# Altium PCB CL-HC-M-V2.1gerber.PcbDoc (part 18 of 18)
Units mil, origin at the board's own origin, x right, y up, seen from the top; angles counter-clockwise.
Board outline 27559.06 x 27559.06 mil, 2 copper layers (TopLayer, BottomLayer); 757 components, 558 nets, 2605 pads, 2186 vias.
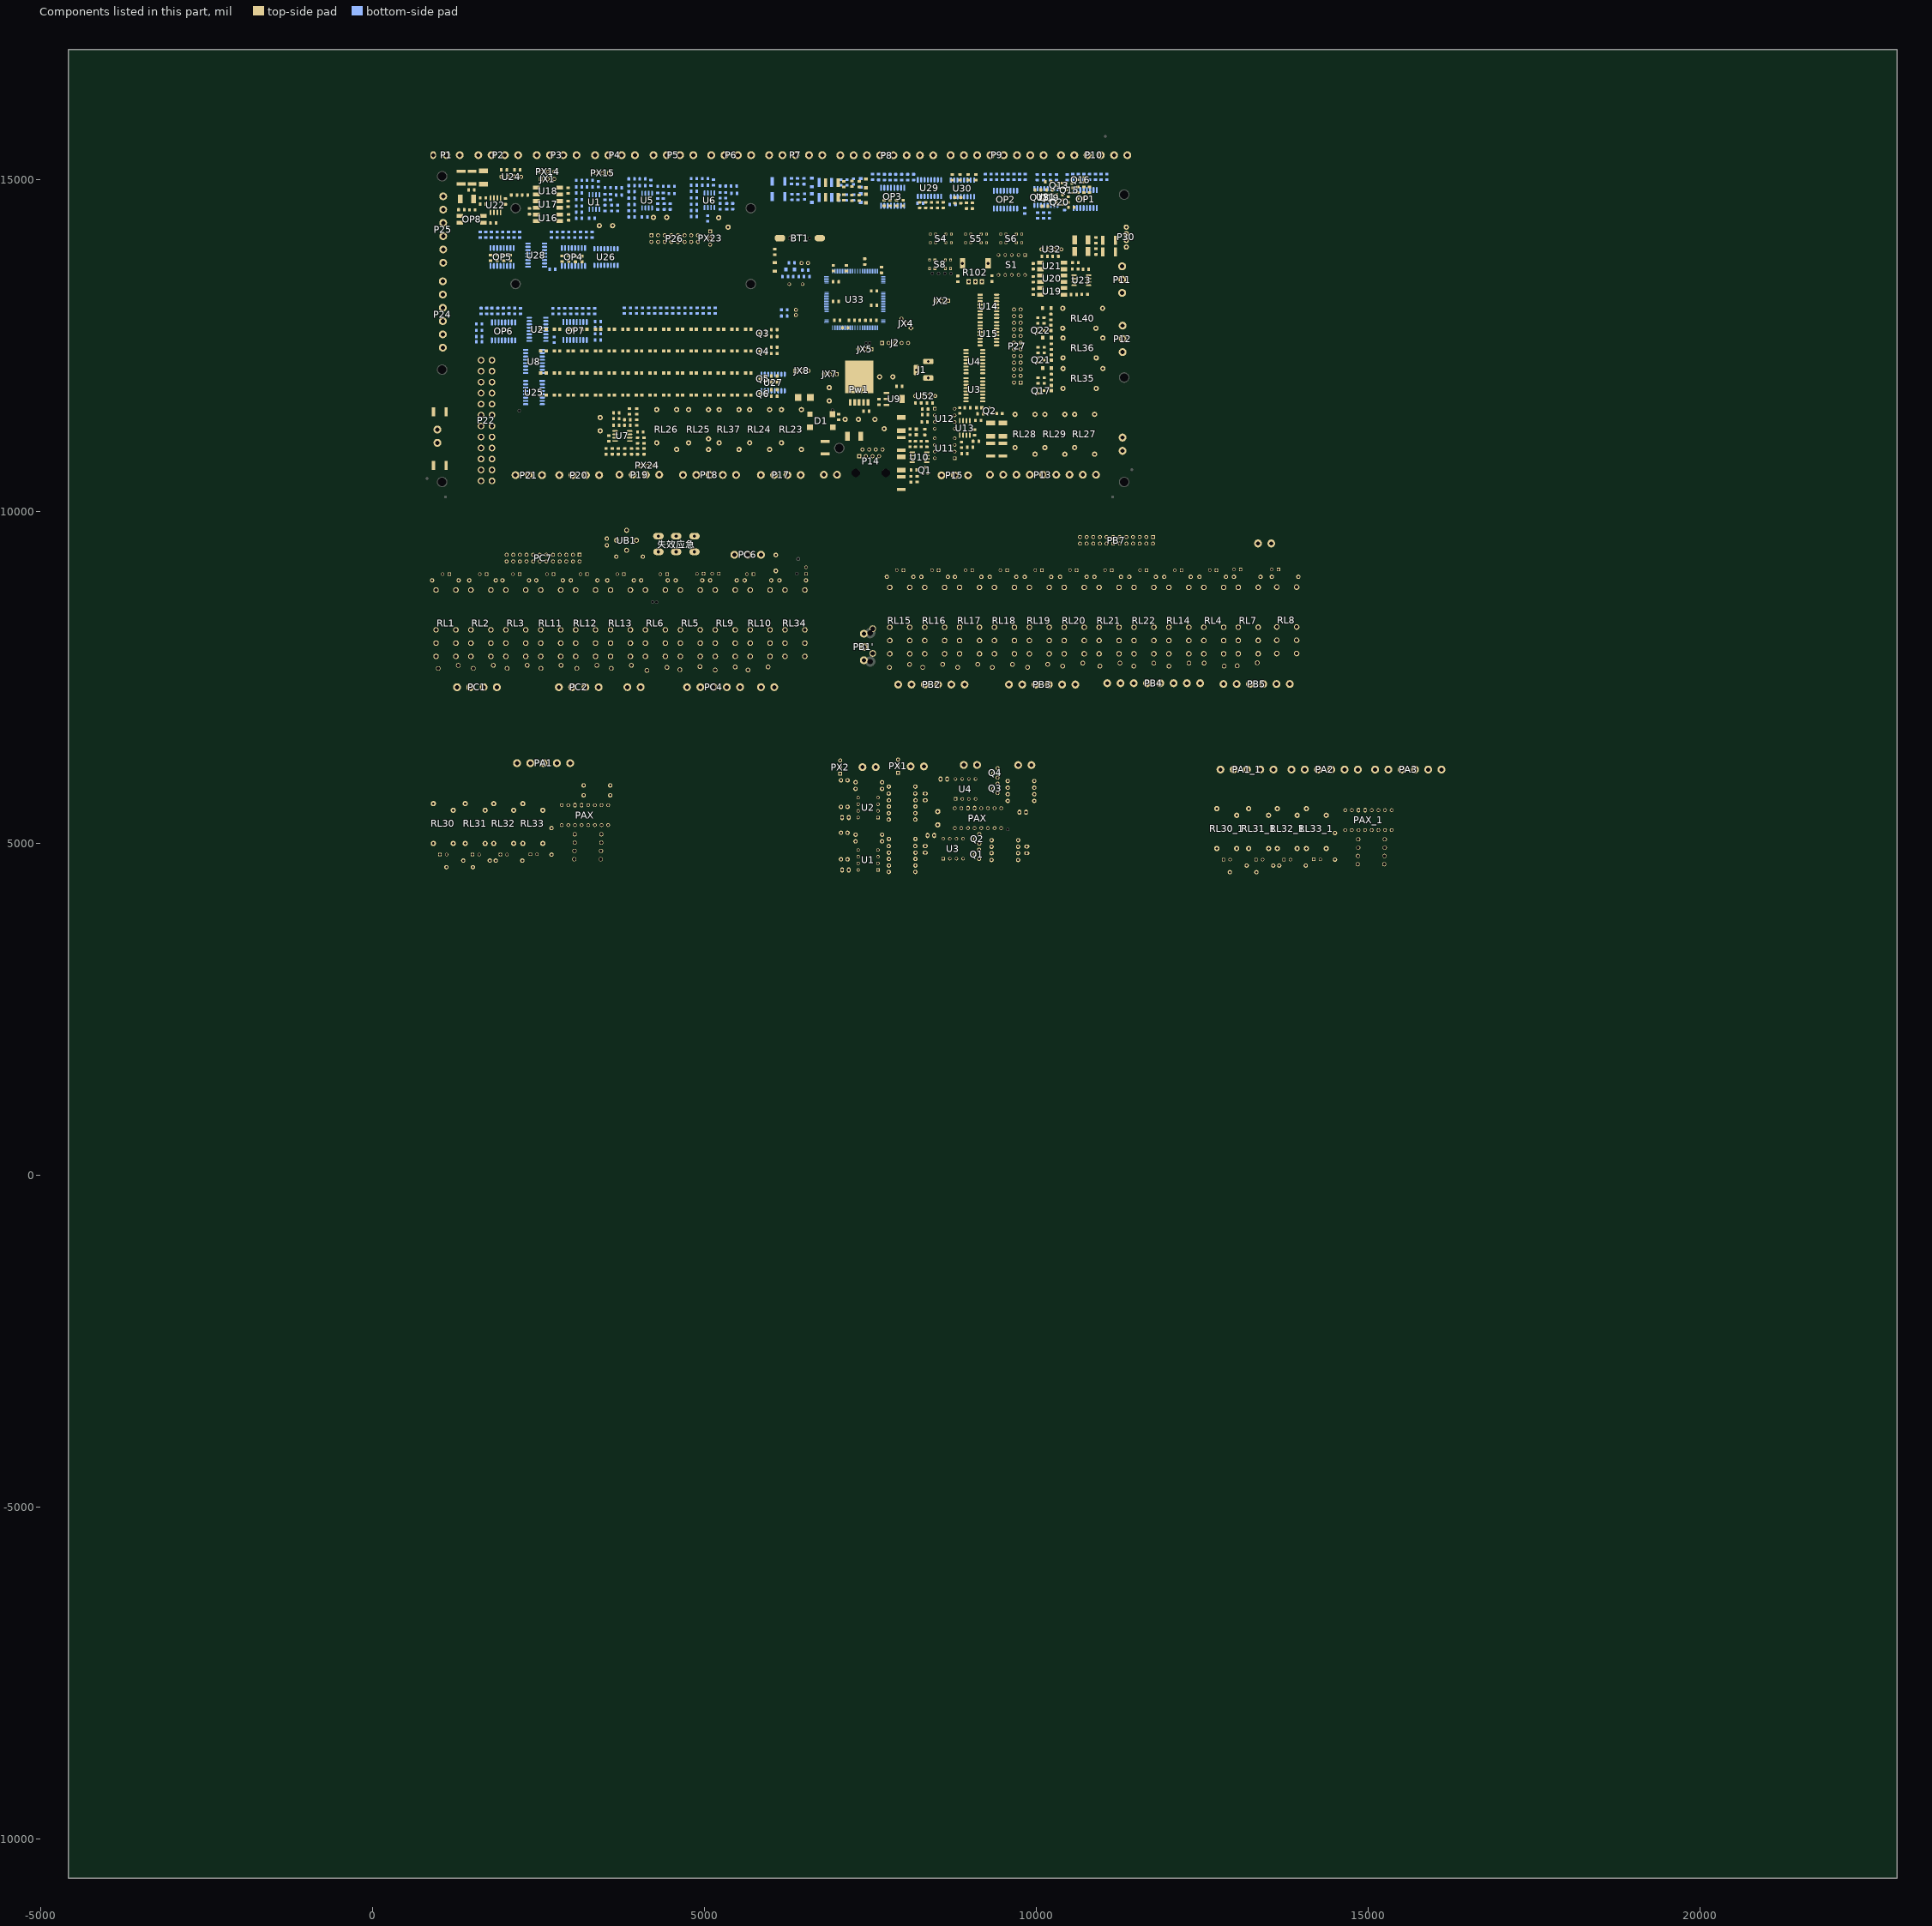
[diagram p18: the components of this part, seen from the top]

## Polygon pours and split planes (outlines as drawn) (continued)
485_GND_1 on TopLayer "BottomLayer-No Net" (solid, remove dead copper, pour order 13): 10250.6,13943.65 10250.6,14062.98 cw(c10350.6,14062.98) 10350.6,14162.98 10356.68,14162.98 11200.86,14162.98 cw(c11200.86,14128.36) 11235.48,14128.36 11235.48,13799.27 ccw(c11253.16,13799.27) 11253.16,13781.59 11373.9,13781.59 cw(c11373.9,13761.76) 11393.74,13761.76 11393.74,13231.77 cw(c11367.22,13231.77) 11367.22,13205.26 10298.41,13205.26 cw(c10298.41,13250.63) 10253.03,13250.63
485-GND1 on TopLayer "BottomLayer-No Net" (solid, remove dead copper, pour order 11): 8647.38,11334.07 8647.38,11533.36 cw(c8747.38,11533.36) 8747.38,11633.36 8772.38,11633.36 9467.59,11633.36 cw(c9467.59,11533.36) 9567.59,11533.36 9567.59,11509.14 9567.59,10753.15 cw(c9530.6,10753.15) 9530.6,10716.16 8684.57,10716.16 cw(c8684.57,10753.36) 8647.38,10753.36
485_GND_2 on TopLayer "BottomLayer-No Net" (solid, remove dead copper, pour order 9): 2483.37,14333.15 2485.54,14333.15 ccw(c2485.54,14397.37) 2549.76,14397.37 2549.76,14873.61 ccw(c2479.76,14873.61) 2479.76,14943.61 2109.59,14943.61 cw(c2109.59,14963.08) 2090.12,14963.08 2090.12,15165.12 ccw(c2044.66,15165.12) 2044.66,15210.58 1551.09,15210.58 cw(c1551.09,15276.96) 1484.72,15276.96 1484.72,15357.36 ccw(c1384.72,15357.36) 1384.72,15457.36 1109.51,15457.36 932,15457.36 ccw(c932,15390.96) 865.61,15390.96 865.61,15320.25 865.61,14945.05 ccw(c900.25,14945.05) 900.25,14910.41 1247.52,14910.41 cw(c1247.52,14901.06) 1256.88,14901.06 cw(c1256.88,14888.24) 1269.7,14888.24 1269.7,14621.78 ccw(c1281.24,14621.78) 1281.24,14610.24 1341.85,14610.24 1670.89,14610.24 cw(c1670.89,14548.18) 1732.94,14548.18 1732.94,14500.54 ccw(c1764.68,14500.54) 1764.68,14468.8 1937.88,14468.8 cw(c1937.88,14429.85) 1976.83,14429.85 1976.83,14398.08 ccw(c2041.76,14398.08) 2041.76,14333.15 2477.6,14333.15
GND on TopLayer "BottomLayer-No Net" (solid, remove dead copper, pour order 15): 902.31,14729.42 902.31,14800.91 cw(c950.6,14800.91) 950.6,14849.2 1200.34,14849.2 cw(c1200.34,14827.51) 1222.03,14827.51 1222.03,14610.06 ccw(c1242.68,14610.06) 1242.68,14589.42 1565.65,14589.42 cw(c1565.65,14565.18) 1589.88,14565.18 1589.88,14514.3 ccw(c1610.6,14514.3) 1610.6,14493.58 1689.85,14493.58 cw(c1689.85,14453.86) 1729.57,14453.86 ccw(c1814.01,14453.86) 1814.01,14369.42 1892.24,14369.42 2274.77,14369.42 2309.97,14369.42 cw(c2309.97,14349.2) 2330.19,14349.2 2330.19,14312.93 2330.19,14291.64 ccw(c2339,14291.64) 2339,14282.84 2534.83,14282.84 ccw(c2534.83,14308.37) 2560.36,14308.37 ccw(c2560.36,14364.99) 2616.98,14364.99 2616.98,14632.63 2616.98,14925.39 ccw(c2581.48,14925.39) 2581.48,14960.89 2222.85,14960.89 cw(c2222.85,15043.36) 2140.38,15043.36 2140.38,15247.93 ccw(c2110.6,15247.93) 2110.6,15277.7 1616.64,15277.7 cw(c1616.64,15377.7) 1516.64,15377.7 1516.64,15495.45 cw(c1610.6,15495.45) 1610.6,15589.42 11373.71,15589.42 cw(c11373.71,15489.42) 11473.71,15489.42 11473.71,15349.42 11473.71,15043.14 cw(c11429.08,15043.14) 11429.08,14998.51 11203.76,14998.51 ccw(c11203.76,14949.42) 11154.67,14949.42 11154.67,14633.53 ccw(c11191.22,14633.53) 11191.22,14596.98 11436.83,14596.98 cw(c11436.83,14564.72) 11469.08,14564.72 11469.08,14324.94 cw(c11410.6,14324.94) 11410.6,14266.45 10292.04,14266.45 ccw(c10292.04,14166.45) 10192.04,14166.45 10192.04,14149.42 10192.04,13187.36 ccw(c10222.34,13187.36) 10222.34,13157.06 10470.6,13157.06 cw(c10470.6,13057.06) 10570.6,13057.06 10570.6,13011.46 10570.6,11709.42 10570.6,11634.17 ccw(c10608.81,11634.17) 10608.81,11595.95 10798.29,11595.95 cw(c10798.29,11495.95) 10898.29,11495.95 10898.29,11489.74 10898.29,11371.68 cw(c10798.29,11371.68) 10798.29,11271.68 10302.22,11271.68 9699.29,11271.68 cw(c9699.29,11347.87) 9623.09,11347.87 9623.09,11589.76 ccw(c9563.44,11589.76) 9563.44,11649.42 8610.93,11649.42 ccw(c8610.93,11598.36) 8559.88,11598.36 8559.88,10269.42 cw(c8459.88,10269.42) 8459.88,10169.42 6790.6,10169.42 cw(c6790.6,10269.42) 6690.6,10269.42 6690.6,10289.42 6690.6,11198.14 ccw(c6590.6,11198.14) 6590.6,11298.14 6510.6,11298.14 4228.39,11298.14 ccw(c4228.39,11269.42) 4199.67,11269.42 4199.67,10862.61 ccw(c4238.92,10862.61) 4238.92,10823.36 4370.6,10823.36 cw(c4370.6,10803.36) 4390.6,10803.36 4390.6,10269.42 cw(c4290.6,10269.42) 4290.6,10169.42 3364.16,10169.42 1456.68,10169.42 cw(c1456.68,10269.42) 1356.68,10269.42 1356.68,10289.42 1356.68,10577.28 ccw(c1310.6,10577.28) 1310.6,10623.36 814.56,10623.36 cw(c814.56,10667.32) 770.6,10667.32 770.6,14698.75 cw(c790.6,14698.75) 790.6,14718.75 891.64,14718.75 ccw(c891.64,14729.42) 902.31,14729.42

## Keep-outs
KeepOutLayer:
  circle w3.94: c11324.89,14775.52 r137.8
  circle w3.94: c7033.56,10956.63 r137.8
  circle w3.94: c1049.3,10444.81 r137.8
  circle w3.94: c1049.3,12137.73 r137.8
  circle w3.94: c5698.74,13428.12 r137.8
  circle w3.94: c5698.74,14569.85 r137.8
  circle w3.94: c2155.43,13428.12 r137.8
  circle w3.94: c1049.3,15051.11 r137.8
  circle w3.94: c2155.43,14569.85 r137.8
  pour cut-out: 8761.58,5571.72 ccw(c8761.58,5528.54) 8718.4,5528.54 8718.4,5241.73 ccw(c8772.68,5241.73) 8772.68,5187.45 9472.68,5187.45 ccw(c9472.68,5230.32) 9515.55,5230.32 9515.55,5530.32 ccw(c9472.68,5530.32) 9472.68,5573.18 8772.68,5573.18

## Other copper
TopLayer:
  region net L: 12883.33,7985.08 12899.32,8001.06 12899.32,8166.21 12872.68,8192.85 7721.03,8192.85 7636.45,8277.42 7391.92,8277.42 7361.34,8246.85 7361.34,8130.34 7428.68,8062.99 7673.74,8062.99 7741,7995.73
BottomLayer:
  region net L: 12883.33,7985.08 12899.32,8001.06 12899.32,8166.21 12872.68,8192.85 7721.03,8192.85 7636.45,8277.42 7391.92,8277.42 7361.34,8246.85 7361.34,8130.34 7428.68,8062.99 7673.74,8062.99 7741,7995.73

## Silkscreen, mask and mechanical layers (free items; w line width, h text height)
TopOverlay:
  drawing of 12061 lines, arcs and shapes, not listed
  text "A+" at 889.29,15667.91 h118.11
  text "B-" at 1111.73,15667.91 h118.11
  text "PE" at 1287.92,15667.91 h118.11
  text "PE" at 2189.35,15667.91 h118.11
  text "PE" at 3080.1,15667.91 h118.11
  text "PE" at 3911.79,15667.91 h118.11
  text "PE" at 4777.94,15667.91 h118.11
  text "PE" at 5631.28,15667.91 h118.11
  text "PE" at 5878.33,15667.91 h118.11
  text "0V" at 1796.64,15666.93 h118.11
  text "~24V" at 1955.1,15666.93 h118.11
  text "0V" at 2675.57,15666.93 h118.11
  text "~24V" at 2819.27,15666.93 h118.11
  text "0V" at 3490.53,15666.93 h118.11
  text "~24V" at 3644.08,15666.93 h118.11
  text "0V" at 4363.57,15666.93 h118.11
  text "24V" at 4539.75,15666.93 h118.11
  text "0V" at 5232.66,15666.93 h118.11
  text "24V" at 5418.68,15666.93 h118.11
  text "0V" at 6500.38,15666.93 h118.11
  text "24V" at 6661.79,15666.93 h118.11
  text "回湿" at 6256.28,15662.99 h118.11
  text "回温" at 6047.62,15662.01 h118.11
  text "冷/热" at 3228.72,15661.02 h118.11
  text "预热" at 4132.27,15661.02 h118.11
  text "管温" at 7424.59,15661.02 h118.11
  text "热水阀" at 1490.53,15660.04 h118.11
  text "冷水阀" at 2373.41,15660.04 h118.11
  text "压差" at 4978.72,15660.04 h118.11
  text "防冻" at 7024.98,15660.04 h118.11
  text "预高温" at 7824.2,15660.04 h118.11
  text "电高温" at 8223.8,15660.04 h118.11
  text "高效" at 8674.59,15660.04 h118.11
  text "亚高效" at 9074.2,15660.04 h118.11
  text "中效" at 9524.98,15660.04 h118.11
  text "初效" at 9875.38,15660.04 h118.11
  text "消防" at 10723.8,15660.04 h118.11
  text "外急停" at 11125.38,15660.04 h118.11
  text "缺风" at 10354.42,15657.41 h118.11
  text "P4" at 3591.91,15569.49 h118.11
  text "P5" at 4447.23,15569.49 h118.11
  text "P7" at 6273.01,15569.49 h118.11
  text "P6" at 5288.76,15568.5 h118.11
  text "P8" at 7700.18,15568.5 h118.11
  text "P9" at 9410.81,15568.5 h118.11
  text "P1" at 854.71,15567.52 h118.11
  text "P10" at 10794.67,15567.52 h118.11
  text "情报面板485" at 976.75,15562.6 h118.11
  text "水阀" at 3241.52,15562.6 h118.11
  text "温感" at 4132.27,15562.6 h118.11
  text "P2" at 1878.04,15554.07 h118.11
  text "P3" at 2830.8,15551.11 h118.11
  text "6#" at 798.16,14719.49 h118.11 r270
  text "A+" at 11201.92,14538.64 h118.11 r90
  text "P30" at 11299.27,14481.11 h118.11 r90
  text "B-" at 11201.92,14466.64 h118.11 r90
  text "1,星形" at 9487.09,14428.99 h118.11
  text "2,自动" at 8441.26,14423.04 h118.11
  text "1,变频" at 8970.22,14416.29 h118.11
  text "系统控制方式选择区" at 6974.65,14384.99 h160
  text "5V" at 11206.92,14337.69 h118.11 r90
  text "1,夏季" at 8285.27,14334.21 h118.11
  text "3,冬季" at 8576.61,14331.26 h118.11
  text "3,三角形" at 9456.25,14331.96 h118.11
  text "3,定频" at 8976.55,14324.7 h118.11
  text "排风机自动门" at 1297.12,14301.91 h118.11 r270
  text "5#" at 801.82,14265.85 h118.11 r270
  text "S4" at 8265.24,14226.57 h118.11
  text "S5" at 8852.5,14215.73 h118.11
  text "S6" at 9382.5,14215.73 h118.11
  text "0V" at 11207.09,14212.84 h118.11 r90
  text "管温控制" at 7933.76,14131.56 h118.11
  text "P25" at 1404.38,14127.21 h118.11 r270
  text "1,手动" at 8263.83,13930.25 h118.11
  text "２3,自动" at 8547.65,13928.44 h118.11
  text "星三角" at 9302.1,13919.37 h118.11
  text "转换时间" at 9587.73,13914.85 h118.11
  text "4#" at 799.99,13901.84 h118.11 r270
  text "S8" at 8262.49,13819.21 h118.11
  text "变频器" at 7979.1,13783.33 h118.11
  text "频率控制" at 7930.12,13690.85 h118.11
  text "A+" at 11063.82,13647.79 h118.11 r90
  text "P24" at 1259.58,13534.19 h118.11 r270
  text "备1" at 8410.89,13489.33 h100
  text "备2" at 8616.68,13489.33 h100
  text "B-" at 11071.39,13480.46 h118.11 r90
  text "P11" at 10939.65,13463.05 h118.11 r90
  text "16" at 9380.07,13414.28 h118.11
  text "8" at 9526.87,13414.28 h118.11
  text "4" at 9618.93,13414.28 h118.11
  text "2" at 9725.98,13414.28 h118.11
  text "1" at 9844.28,13414.28 h118.11
  text "3#" at 808.56,13413.59 h118.11 r270
  text "CL-HC-M-V2.1" at 4108.1,13389.13 h200
  text "!调整时注意右下角的显示!" at 7707.06,13331.77 h118.11
  text "S1" at 9617.07,13326.1 h118.11
  text "手动频率调节" at 8846.89,13324.52 h118.11
  text "PE" at 11084.23,13239.08 h118.11 r90
  text "P27" at 9520.72,13231.09 h118.11
  text "排风机自动门" at 1268.01,13210.85 h118.11 r270
  text "Rx Tx G0" at 8437.91,13053.83 h80
  text "2#" at 808.56,13041.88 h118.11 r270
  text "com3" at 8453.49,12975.3 h120
  text "P12" at 11200.08,12959.22 h118.11
  text "常用数据输入点状态" at 3223.87,12927.46 h110
  text "门板控制按键输入" at 4995.3,12927.25 h110
  text "LD16~LD01" at 5889.69,12825.75 h100
  text "急停" at 2500.94,12819.59 h110
  text "消防" at 2706.84,12819.58 h110
  text "防冻" at 4580.27,12819.59 h110
  text "起停" at 4763.49,12819.49 h110
  text "值机" at 4969.28,12819.49 h110
  text "远起" at 5175.07,12819.49 h110
  text "远值" at 5380.86,12819.49 h110
  text "急停" at 5586.66,12819.49 h110
  text "缺风" at 2912,12818.04 h110
  text "初效" at 3118.21,12818.04 h110
  text "电高温" at 3900.13,12817.27 h110
  text "预高温" at 4153.44,12817.27 h110
  text "管温" at 4407.42,12817.9 h110
  text "中效" at 3306.9,12817 h110
  text "高效" at 3728.95,12815.74 h110
  text "亚高效" at 3473.32,12814.97 h110
  text "Rx Tx G0" at 7703.28,12752.9 h80
  text "com1" at 7718.87,12674.36 h120
  text "1#" at 810.97,12660.52 h118.11 r270
  text "下位机状态" at 2582.19,12600.4 h110
  text "季节工况选择" at 4106.44,12599.92 h110
  text "控制" at 5585.14,12598.41 h110
  text "启动方式" at 3553.74,12596.9 h110
  text "定频反馈" at 4786.62,12596.89 h110
  text "变频反馈" at 5198.2,12596.89 h110
  text "变频选择" at 3143.38,12595.38 h110
  text "13" at 2161.56,12576.28 h100
  text "超时" at 5588.88,12512.09 h110
  text "Rx Tx G0" at 6975.88,12499.78 h80
  text "门板接线区" at 1522.38,12498.37 h118.11
  text "运行" at 2500.68,12491.87 h110
  text "变频" at 3117.17,12491.87 h110
  text "定频" at 3322.96,12491.87 h110
  text "星形" at 3528.75,12491.87 h110
  text "三角" at 3734.54,12491.87 h110
  text "夏季" at 3940.33,12491.87 h110
  text "冬季" at 4146.12,12491.87 h110
  text "自动" at 4351.91,12491.87 h110
  text "手动" at 4557.7,12491.87 h110
  text "运行" at 4763.49,12491.87 h110
  text "故障" at 4969.28,12491.87 h110
  text "运行" at 5175.07,12491.87 h110
  text "故障" at 5380.86,12491.87 h110
  text "通信1" at 2674.79,12490.29 h110
  text "通信2" at 2887.79,12491.01 h110
  text "P22" at 1285.93,12488.37 h118.11
  text "3v r c d g" at 7661.88,12432.93 h120
  text "com5" at 6991.47,12421.25 h120
  text "24" at 2160.73,12396.24 h100
  text "AHU 状态与故障指示" at 3126.71,12272.84 h110
  text "变频器AO" at 5396.42,12265.27 h110
  text "LD32~LD17" at 5900.54,12255.53 h100
  text "中效报警" at 1996.63,12253.34 h100
  text "初效报警" at 1211.13,12245.98 h100
  text "电热" at 4133.26,12245.71 h110
  text "预热" at 4339.05,12245.71 h110
  text "防冻" at 4543.03,12245.4 h110
  text "防冻" at 4755.18,12245.4 h110
  text "外急停" at 4925.62,12245.16 h110
  text "消防" at 5186.98,12245.89 h110
  text "3v3" at 6385.51,12182.22 h120
  text "运行" at 2499.8,12158.78 h110
  text "值机" at 2705.59,12158.88 h110
  text "故障" at 2911.38,12158.88 h110
  text "缺风" at 3117.17,12158.88 h110
  text "初效" at 3322.96,12158.88 h110
  text "中效" at 3528.75,12158.88 h110
  text "亚高效" at 3694.7,12158.88 h110
  text "高效" at 3940.33,12158.88 h110
  text "报警" at 4133.26,12158.88 h110
  text "报警" at 4339.05,12158.88 h110
  text "停机" at 4755.18,12158.88 h110
  text "报警" at 4967.86,12158.88 h110
  text "报警" at 5186.88,12158.52 h110
  text "手动" at 5380.87,12158.88 h110
  text "自动" at 5586.66,12158.88 h110
  text "报警" at 4543.03,12151.31 h110
  text "LD48~LD33" at 5901.33,12145.36 h100
  text "GND" at 6817.31,12129.92 h80
  text "亚高效报警" at 1932.64,12087.66 h100
  text "缺风报警" at 1211.13,12085.98 h100
  text "交流24V" at 785.13,11995.27 h118.11 r270
  text "排风机 自动门 状态" at 3358.17,11935.44 h110
  text "主控模式" at 4476.35,11935.07 h110
  text "变频器控制" at 5172.14,11929.1 h110
  text "高效报警" at 1996.63,11922.63 h100
  text "加湿器状态" at 2582.05,11918.51 h110
  text "故障报警" at 1211.13,11915.98 h100
  text "#1" at 3151.58,11832.2 h110
  text "#2" at 3357.37,11832.2 h110
  text "#3" at 3563.16,11832.2 h110
  text "#4" at 3768.95,11832.2 h110
  text "#5" at 3974.74,11832.2 h110
  text "#6" at 4180.53,11832.2 h110
  text "A0" at 4379.53,11827.14 h110
  text "A1" at 4585.32,11827.14 h110
  text "A2" at 4791.11,11827.14 h110
  text "互锁" at 2501.7,11825.91 h110
  text "开关" at 2682.38,11825.91 h110
  text "电磁阀" at 2854.21,11825.28 h110
  text "开启" at 4969.83,11825.9 h110
  text "值机" at 5175.62,11825.9 h110
  text "全速" at 5381.41,11825.9 h110
  text "备用" at 5587.2,11825.9 h110
  text "电源灯" at 1996.63,11757.27 h100
  text "值机" at 1291.13,11755.98 h100
  text "预热锁定" at 11081.61,11700.84 h118.11
  text "输入" at 790.63,11636.68 h118.11 r270
  text "互锁" at 9742.38,11609.18 h118.11
  text "电磁阀" at 10602.38,11609.18 h118.11
  text "开关" at 10209.89,11604.45 h118.11
  text "预热高温" at 1996.63,11591.92 h100
  text "运行" at 1291.13,11585.98 h100
  text "加热锁定" at 11081.61,11583.72 h118.11
  text "系统控制方式指示区" at 2522.06,11543.6 h160
  text "风机锁定" at 11081.61,11476.44 h118.11
  text "LD64~LD49" at 2462.95,11432.59 h100
  text "防冻报警" at 1996.63,11426.56 h100
  text "电高温" at 1251.13,11425.98 h100
  text "火线" at 11217.32,11279.47 h118.11
  text "消防报警" at 1996.63,11261.21 h100
  text "本控开机" at 1211.13,11255.98 h100
  text "急停报警" at 1996.63,11095.85 h100
  text "本控值机" at 1211.13,11085.98 h100
  text "中央监控" at 7408.82,10993.64 h118.11
  text "P15" at 7197.28,10978.02 h118.11
  text "P32" at 11079.82,10953.67 h118.11 r90
  text "防冻报警" at 1996.63,10930.5 h100
  text "远控开机" at 1211.13,10925.98 h100
  text "P20" at 3005.82,10833.65 h118.11
  text "P21" at 2348.8,10822.1 h118.11
  text "P23" at 787.89,10773.86 h118.11 r270
  text "备用1" at 1996.63,10765.15 h100
  text "远控值机" at 1211.13,10755.98 h100
  text "P18" at 5030.35,10749.42 h118.11
  text "P17" at 6311.51,10745.32 h118.11
  text "变频反馈" at 2945.17,10742.68 h118.11
  text "工频反馈" at 2312.38,10740.6 h118.11
  text "P16" at 6718.91,10740.04 h118.11
  text "24V" at 1940.38,10688.36 h100 r270
  text "零线" at 11195.34,10661.2 h118.11
  text "急停按键" at 1182.38,10588.37 h100
  text "备用2" at 1949.37,10517.29 h100 r270
  text "01" at 1222.38,10461.29 h100
  text "24V" at 1372.38,10438.37 h100
  text "+" at 6762.38,10384.3 h200 r270
  text "POL" at 7435.26,10333.79 h118.11
  text "P19" at 3714.81,10298.36 h118.11
  text "变频控制" at 3972.18,10298.36 h118.11
  text "变频器控制" at 4858.23,10298.16 h118.11
  text "12" at 1221.56,10281.25 h100
  text "-" at 6975.92,10278.36 h300
  text "PE" at 8516.82,10277.9 h118.11
  text "B-" at 8740.73,10277.9 h118.11
  text "A+" at 8915.86,10277.9 h118.11
  text "故障" at 2266.32,10274.51 h118.11
  text "故障" at 3138.49,10275.01 h118.11
  text "运行" at 3338.49,10275.01 h118.11
  text "24V" at 2494.6,10273.89 h118.11
  text "(220V)" at 11085.37,10271.9 h118.11
  text "运行" at 2051.17,10268.98 h118.11
  text "0V" at 2764.85,10267.88 h118.11
  text "24V" at 2944.67,10266.67 h118.11
  text "24V输入端" at 6690.27,10205.81 h118.11
  text "3-A+" at 7227.36,10203.4 h118.11
  text "6-B-" at 7621.59,10201 h118.11
  text "公共" at 4543.69,10198.36 h118.11
  text "开启" at 4762.38,10198.36 h118.11
  text "值机" at 4982.38,10198.36 h118.11
  text "全速" at 5182.38,10198.36 h118.11
  text "备用" at 5382.38,10198.36 h118.11
  text "控制" at 9600.77,10196.14 h118.11
  text "互锁" at 9922.62,10196.14 h118.11
  text "开关" at 10301.56,10196.14 h118.11
  text "电磁阀" at 10541.71,10196.14 h118.11
  text "零线" at 10832.07,10196.14 h118.11
  text "PE" at 9250.38,10193.19 h118.11
  text "0V" at 9424.59,10193.19 h118.11
  text "PE" at 3621.08,10192.47 h118.11
  text "0V" at 3865.95,10192.47 h118.11
  text "选择" at 4041.6,10192.47 h118.11
  text "高温连锁" at 5771.18,10192.89 h118.11
  text "故障连锁" at 6170.19,10192.89 h118.11
  text "P13" at 10139.77,10183.18 h118.11
  text "P14" at 8705.57,10182.57 h118.11
  text "应急" at 5323.69,9770.21 h118.11 r270
  text "正常" at 5615.03,9752.5 h118.11 r270
  text "AC1" at 13258.7,9701.82 h118.11
  text "AC2" at 13458.5,9699.85 h118.11
  text "预热锁定" at 5973.26,9685.66 h118.11
  text "AC24V" at 12851.71,9610.37 h118.11
  text "加热锁定" at 5973.26,9596.57 h118.11
  text "PB7" at 12029.64,9596.19 h118.11
  text "PC6" at 5795.55,9527.68 h118.11
  text "交流" at 12906.8,9520.07 h118.11
  text "风机锁定" at 5971.43,9503.83 h118.11
  text "PB6" at 12919.64,9406.19 h118.11
  text "应急指示灯" at 3312.35,9364.75 h100
  text "CL-HC-V1.5-B" at 8507.77,9222.28 h200
  text "SW1" at 5046.55,9166.68 h118.11
  text "应急" at 4414.55,9157.68 h118.11
  text "开关" at 4598.55,9156.68 h118.11
  text "CL-HC-C-V2.0" at 829.02,9144.03 h200
  text "PC7" at 3367.99,9127.79 h118.11
  text "(220V)" at 7378.68,8616.86 h118.11
  text "火线" at 7320.04,8519.14 h118.11
  text "PB5" at 13432.16,7589.92 h118.11
  text "零线" at 7360.04,7519.14 h118.11
  text "PC2" at 2496.82,7463.72 h118.11
  text "PC1" at 2051.01,7436.36 h118.11
  text "PC4" at 4418.79,7428.36 h118.11
  text "PB1" at 7367.19,7401.66 h118.11
  text "PB4" at 10947.29,7328.66 h118.11 r90
  text "PB3" at 9461.71,7319.04 h118.11 r90
  text "PB2" at 7793.44,7316.64 h118.11 r90
  text "(220V)" at 4351.1,7187.49 h118.11
  text "星接法" at 5108.04,7167.79 h118.11 r270
  text "(220V)" at 2280.76,7162.88 h118.11
  text "散热扇" at 5523.04,7162.79 h118.11 r270
  text "零线" at 1253.04,7147.79 h118.11 r270
  text "(220V)" at 6202.64,7143.73 h118.11
  text "零线" at 2788.04,7142.79 h118.11 r270
  text "变频" at 4698.04,7122.79 h118.11 r270
  text "定频" at 4903.04,7122.79 h118.11 r270
  text "电预热" at 2004.72,7119.89 h118.11 r270
  text "电加热" at 2630.71,7117.92 h118.11 r270
  text "三角" at 5318.04,7117.79 h118.11 r270
  text "2#" at 1653.04,7112.79 h118.11 r270
  text "3#" at 1853.04,7112.79 h118.11 r270
  text "1#" at 1453.04,7107.79 h118.11 r270
  text "2#" at 3188.04,7107.79 h118.11 r270
  text "3#" at 3388.04,7107.79 h118.11 r270
  text "1#" at 2988.04,7102.79 h118.11 r270
  text "PC5" at 5640.62,7082.2 h118.11
  text "(220V)" at 825.77,7075.36 h118.11
  text "PC3" at 3585.32,7053.48 h118.11
  text "1#" at 7970.98,7011.65 h118.11 r90
  text "5#" at 10040.98,7011.59 h118.11 r90
  text "2#" at 8370.98,7010.84 h118.11 r90
  text "3#" at 8770.98,7010.84 h118.11 r90
  text "6#" at 10440.98,7010.33 h118.11 r90
  text "4#" at 9640.98,7008.13 h118.11 r90
  text "零线" at 13303.16,6988.78 h118.11 r90
  text "负压" at 11920.98,6973.66 h118.11 r90
  text "零线" at 8170.98,6972.74 h118.11 r90
  text "零线" at 8570.98,6972.74 h118.11 r90
  text "零线" at 8970.98,6972.74 h118.11 r90
  text "零线" at 9840.98,6972.74 h118.11 r90
  text "零线" at 10240.98,6972.74 h118.11 r90
  text "零线" at 10640.98,6972.74 h118.11 r90
  text "停保" at 11120.98,6972.91 h118.11 r90
  text "零线" at 11320.98,6972.74 h118.11 r90
  text "零线" at 11720.98,6972.74 h118.11 r90
  text "零线" at 12120.98,6972.74 h118.11 r90
  text "零线" at 12520.98,6972.74 h118.11 r90
  text "定量关" at 13651.61,6949.14 h118.11 r90
  text "密闭关" at 12903.16,6944.62 h118.11 r90
  text "密闭开" at 13103.16,6944.68 h118.11 r90
  text "定量开" at 13523.94,6944.14 h118.11 r90
  text "电柜扇" at 12320.98,6931.46 h118.11 r90
  text "杀菌灯" at 11520.98,6929.85 h118.11 r90
  text "AC24V" at 13776.61,6929.14 h118.11 r90
  text "零线" at 3887.68,6916.68 h118.11 r90
  text "零线" at 4082.21,6906.83 h118.11 r90
  text "零线" at 5894.42,6906.83 h118.11 r90
  text "零线" at 6094.42,6906.83 h118.11 r90
  text "排风机" at 8335.08,6851.11 h118.11
  text "排风机" at 10046.99,6819.28 h118.11
  text "AC24V" at 13475.08,6781.11 h118.11
  text "(220V)" at 9545.56,6775.6 h118.11
  text "(220V)" at 11032.21,6775.6 h118.11
  text "(220V)" at 12698.66,6771.11 h118.11
  text "(220V)" at 7850.98,6755.6 h118.11
  text "浮点阀硬接线扩展板" at 1040.92,6248.41 h118.11
  text "CL-FG-V1.0" at 1020.92,6058.41 h200
  text "PF1" at 3160.92,6048.41 h118.11
  text "公共" at 2146.51,6023.26 h118.11 r270
  text "F1" at 2336.77,6023.26 h118.11 r270
  text "R1" at 2538.83,6023.26 h118.11 r270
  text "F2" at 2740.9,6023.26 h118.11 r270
  text "R2" at 2942.97,6023.26 h118.11 r270
  text "回温" at 14007.66,5918.45 h118.11 r270
  text "回湿" at 14207.66,5918.45 h118.11 r270
  text "设温" at 14427.66,5918.45 h118.11 r270
  text "设湿" at 14617.66,5918.45 h118.11 r270
  text "运行" at 12765.59,5907.93 h118.11 r270
  text "值机" at 12915.59,5907.93 h118.11 r270
  text "滤网" at 13095.59,5907.93 h118.11 r270
  text "故障" at 13295.59,5907.93 h118.11 r270
  text "公共" at 13505.59,5907.93 h118.11 r270
  text "0V" at 14797.66,5888.45 h118.11 r270
  text "PE" at 13807.66,5878.45 h118.11 r270
  text "负压" at 15075.8,5780.54 h118.11
  text "远启" at 15886.85,5780.32 h118.11
  text "远值" at 15486.85,5779.53 h118.11
  text "PD1~PD4 4~20mA输出" at 6918.14,5764.13 h120 r270
  text "PA1" at 15496.5,5683.25 h118.11
  text "!!!请注意正负极性!!!" at 6828.14,5669.36 h120 r270
  text "PA2" at 14271.21,5656.95 h118.11
  text "PA3" at 13056.45,5654.33 h118.11
  text "情报面板硬接线扩展板" at 14515.75,5580.71 h118.11
  text "滤网" at 13892.59,4732.74 h118.11
  text "值机" at 13465.32,4731.43 h118.11
  text "运行" at 12984.15,4728.8 h118.11
  text "故障" at 14159.47,4632.83 h118.11
  text "CL-HC-A-V2.0" at 15637.18,4572.47 h200 r90
  text "CL-AO-VI-V1.0" at 10088.14,4557.43 h200 r90
BottomOverlay:
  region: 11299.89,13147.43 11448.97,12967.43 11314.46,12967.43 11419.89,12807.43 11214.46,13007.43 11348.97,13007.43
  region: 10466.46,10943.04 10615.54,10763.04 10481.03,10763.04 10586.46,10603.04 10381.03,10803.04 10515.54,10803.04
  lines w8: 3216.08,14751.81 3216.08,14848.81 ; 3470.76,14808.16 3455.38,14823.54 3455.38,14976.47 3481.75,15002.84 3516.85,15002.84 ; 3599.55,14440.05 3599.55,14494.93 ; 3625.17,14673.51 3723.95,14673.51 3739.34,14658.12 3739.34,14394.68 ; 3773.73,14661.07 3841.79,14661.07 ; 3798.61,14480.31 3822.03,14503.73 ; 3800.81,14946.48 3800.81,14994.78 ; 3974.25,14688.88 4008.65,14654.48 4008.65,14643.5 ; 3976.45,14852.81 4002.79,14852.81 4007.18,14848.41 4007.18,14825.73 ; 3998.04,15130.9 3998.04,15062.86 3986.69,15051.51 3986.69,14965.12 4000.22,14951.59 ; 4261.13,14830.85 4249.41,14842.57 4249.41,14973.55 4249.41,14992.57 4310.17,15053.33 4315.45,15053.33 ; 4377.65,14386.8 4377.65,14520.07 ; 4417.72,14689.61 4548,14689.61 4565.55,14672.06 4565.55,14642.03
  lines w10: 5204.81,14836.34 5188.71,14852.44 5188.71,14999.54 5225.67,15036.49
  lines w15: 9975.97,10312.18 9975.97,11263.15 10609.14,11263.15 10609.14,13145.41 11473.89,13145.41 11473.89,10312.18 9975.97,10312.18
  text "管温" at 7641.08,15531.15 h118.11
  text "缺风" at 10526.9,15531.15 h118.11
  text "防冻" at 7228.82,15530.81 h118.11
  text "预高温" at 8053.22,15530.23 h118.11
  text "电高温" at 8465.6,15530.23 h118.11
  text "高效" at 8877.86,15530.23 h118.11
  text "亚高效" at 9290,15530.23 h118.11
  text "中效" at 9702.26,15530.92 h118.11
  text "初效" at 10114.52,15530.92 h118.11
  text "消防" at 10939.04,15530.81 h118.11
  text "急停" at 11351.41,15530.57 h118.11
  text "Tx Rx G0" at 2767.72,14881.95 h80
  text "com2" at 2752.14,14803.42 h120
  text "!!!Warning High Voltage!!!" at 10793.92,13078.89 h250 r90
  text "(220V)" at 11301.42,13041.92 h118.11
  text "排风机#1" at 9562.91,13021.25 h118.11
  text "排风机#3" at 10201.68,13021.25 h118.11
  text "!!区域内高压 切勿触碰!!!" at 11222.59,12968.02 h300 r90
  text "排风机#5" at 9562.91,12921.25 h118.11
  text "排风机#2" at 10202.35,12921.25 h118.11
  text "排风机#6" at 9562.91,12821.25 h118.11
  text "电加热#2" at 10197.85,12821.25 h118.11
  text "保温" at 9562.91,12721.25 h118.11
  text "GND" at 10030.49,12721.25 h118.11
  text "杀菌灯" at 9562.91,12621.25 h118.11
  text "24V" at 9991.82,12621.25 h118.11
  text "负压" at 9562.91,12521.25 h118.11
  text "排风机#1" at 10202.91,12521.25 h118.11
  text "电柜扇" at 9562.91,12421.25 h118.11
  text "散热扇" at 10091.52,12421.25 h118.11
  text "预热#1" at 9562.91,12321.25 h118.11
  text "星三角" at 10089.61,12321.25 h118.11
  text "预热#2" at 9562.91,12221.25 h118.11
  text "定频" at 10009.13,12221.25 h118.11
  text "预热#3" at 9562.91,12121.25 h118.11
  text "变频" at 10008.8,12121.25 h118.11
  text "电加热#1" at 9562.91,12021.25 h118.11
  text "定量阀" at 10093.43,12021.25 h118.11
  text "密闭阀" at 9562.91,11921.25 h118.11
  text "电加热#3" at 10197.18,11921.25 h118.11
  text "(220V)" at 10394.8,10706.37 h118.11
BottomSolder:
  drawing of 158 lines, arcs and shapes, not listed
Mechanical1:
  circle w10: c12609.32,5807.13 r66.93
  circle w10: c16152.63,5807.13 r66.93
  circle w10: c12609.32,4665.4 r66.93
  circle w10: c16152.63,4665.4 r66.93
  circle w10: c16152.63,2775.64 r66.93
  circle w10: c12609.32,2775.64 r66.93
  circle w10: c16152.63,3917.37 r66.93
  circle w10: c12609.32,3917.37 r66.93
  circle w10: c6726.25,3947.31 r66.93
  circle w10: c10269.56,3947.31 r66.93
  circle w10: c6726.25,2805.58 r66.93
  circle w10: c10269.56,2805.58 r66.93
  circle w10: c10269.56,4695.34 r66.93
  circle w10: c6726.25,4695.34 r66.93
  circle w10: c10269.56,5837.07 r66.93
  circle w10: c6726.25,5837.07 r66.93
  circle w10: c804.08,3992.7 r66.93
  circle w10: c4347.39,3992.7 r66.93
  circle w10: c804.08,2850.97 r66.93
  circle w10: c4347.39,2850.97 r66.93
  circle w10: c4347.39,4740.73 r66.93
  circle w10: c804.08,4740.73 r66.93
  circle w10: c4347.39,5882.46 r66.93
  circle w10: c804.08,5882.46 r66.93
  circle w10: c7438.46,9563.79 r66.93
  circle w10: c7438.46,6886.62 r66.93
  circle w10: c9256.4,7411.66 r66.93
  circle w10: c13934.53,6886.62 r66.93
  circle w10: c13934.53,9563.79 r66.93
  circle w10: c6385.63,6888.59 r66.93
  circle w10: c6464.37,9565.76 r66.93
  circle w10: c1031.3,9565.76 r66.93
  circle w10: c1031.3,6888.59 r66.93
  lines w5: 750.6,10287.21 ccw(c888.4,10287.21) 888.4,10149.42 ; 750.6,15602.17 cw(c888.4,15602.17) 888.4,15739.97 ; 11360.84,10149.42 ccw(c11360.84,10287.21) 11498.63,10287.21 ; 11360.84,15739.97 cw(c11360.84,15602.17) 11498.63,15602.17
  lines w10: 685.97,2752.54 ccw(c823.76,2752.54) 823.76,2614.75 ; 685.97,4366.72 cw(c823.76,4366.72) 823.76,4504.51 cw(c823.76,4642.31) 685.97,4642.31 ; 685.97,6256.48 cw(c823.76,6256.48) 823.76,6394.28 ; 795.08,6868.91 ccw(c932.87,6868.91) 932.87,6731.11 ; 795.08,9664.18 cw(c932.87,9664.18) 932.87,9801.98 ; 4327.7,2614.75 ccw(c4327.7,2752.54) 4465.5,2752.54 ; 4327.7,6394.28 cw(c4327.7,6256.48) 4465.5,6256.48 ; 4465.5,4366.72 ccw(c4327.7,4366.72) 4327.7,4504.51 ccw(c4327.7,4642.31) 4465.5,4642.31 ; 6484.05,6731.11 ccw(c6484.05,6868.91) 6621.85,6868.91 ; 6484.05,9801.98 cw(c6484.05,9664.18) 6621.85,9664.18 ; 6608.14,2707.15 ccw(c6745.93,2707.15) 6745.93,2569.36 ; 6608.14,4321.33 cw(c6745.93,4321.33) 6745.93,4459.12 cw(c6745.93,4596.92) 6608.14,4596.92 ; 6608.14,6211.09 cw(c6745.93,6211.09) 6745.93,6348.88 ; 7275.08,6868.91 ccw(c7412.87,6868.91) 7412.87,6731.11 ; 7275.08,9664.18 cw(c7412.87,9664.18) 7412.87,9801.98 ; 10249.87,2569.36 ccw(c10249.87,2707.15) 10387.67,2707.15 ; 10249.87,6348.88 cw(c10249.87,6211.09) 10387.67,6211.09 ; 10387.67,4321.33 ccw(c10249.87,4321.33) 10249.87,4459.12 ccw(c10249.87,4596.92) 10387.67,4596.92 ; 12491.21,2677.21 ccw(c12629,2677.21) 12629,2539.42 ; 12491.21,4291.39 cw(c12629,4291.39) 12629,4429.18 cw(c12629,4566.98) 12491.21,4566.98 ; 12491.21,6181.15 cw(c12629,6181.15) 12629,6318.95 ; 13908.94,6731.11 ccw(c13908.94,6868.91) 14046.73,6868.91 ; 13908.94,9801.98 cw(c13908.94,9664.18) 14046.73,9664.18 ; 16132.94,2539.42 ccw(c16132.94,2677.21) 16270.74,2677.21 ; 16132.94,6318.95 cw(c16132.94,6181.15) 16270.74,6181.15 ; 16270.74,4291.39 ccw(c16132.94,4291.39) 16132.94,4429.18 ccw(c16132.94,4566.98) 16270.74,4566.98 ; 685.97,4504.51 4465.5,4504.51 ; 685.97,4504.51 685.97,2614.75 4465.5,2614.75 4465.5,4504.51 ; 685.97,4504.51 4465.5,4504.51 ; 685.97,4504.51 685.97,6394.28 4465.5,6394.28 4465.5,4504.51 ; 6608.14,4459.12 10387.67,4459.12 ; 6608.14,4459.12 6608.14,2569.36 10387.67,2569.36 10387.67,4459.12 ; 6608.14,4459.12 10387.67,4459.12 ; 6608.14,4459.12 6608.14,6348.88 10387.67,6348.88 10387.67,4459.12 ; 12491.21,4429.18 12491.21,6318.95 16270.74,6318.95 16270.74,4429.18 ; 12491.21,4429.18 16270.74,4429.18 ; 12491.21,4429.18 12491.21,2539.42 16270.74,2539.42 16270.74,4429.18 ; 12491.21,4429.18 16270.74,4429.18 ; 750.6,10149.42 750.6,15739.97 11498.63,15739.97 11498.63,10149.42 750.6,10149.42 ; 795.08,6731.11 6621.85,6731.11 6621.85,9801.98 795.08,9801.98 795.08,6731.11 ; 7275.08,6731.11 14046.73,6731.11 14046.73,9801.98 7275.08,9801.98 7275.08,6731.11
  text "PCB名称: CL-HC-M-V2.1" at -478.03,15663.6 h120
  text "尺寸： 27.3CM*14.2CM" at -477.91,15525.69 h120
  text "板材：  FR4" at -477.91,15386.76 h120
  text "板子层数：  2" at -477.91,15248.63 h120
  text "板子厚度：  1.6" at -477.91,15109.46 h120
  text "阻焊颜色：  蓝色" at -478.03,14971.22 h120
  text "铜箔厚度：  h/hoz" at -478.03,14832.05 h120
  text "阻焊覆盖：  过孔盖油" at -478.03,14693.24 h120
  text "字符颜色：  白色" at -477.91,14555.1 h120
  text "焊盘喷镀：  有铅喷锡" at -477.91,14416.05 h120
  text "PCB名称: CL-HC-V1.5-B" at 14282.08,9702.29 h120
  text "尺寸： 17.2CM*7.8CM" at 14282.19,9564.38 h120
  text "PCB名称: CL-HC-C-V2.1" at -568.04,9514.91 h120
  text "板材：  FR4" at 14282.19,9425.45 h120
  text "尺寸： 14.8CM*7.8CM" at -567.93,9377.01 h120
  text "板子层数：  2" at 14282.19,9287.31 h120
  text "板材：  FR4" at -567.93,9238.07 h120
  text "板子厚度：  1.6" at 14282.19,9148.15 h120
  text "板子层数：  2" at -567.93,9099.94 h120
  text "阻焊颜色：  蓝色" at 14282.08,9009.9 h120
  text "板子厚度：  1.6" at -567.93,8960.78 h120
  text "铜箔厚度：  h/hoz" at 14282.08,8870.74 h120
  text "阻焊颜色：  蓝色" at -568.04,8822.53 h120
  text "阻焊覆盖：  过孔盖油" at 14282.08,8731.92 h120
  text "铜箔厚度：  h/hoz" at -568.04,8683.37 h120
  text "字符颜色：  白色" at 14282.19,8593.79 h120
  text "阻焊覆盖：  过孔盖油" at -568.04,8544.55 h120
  text "焊盘喷镀：  有铅喷锡" at 14282.19,8454.74 h120
  text "字符颜色：  白色" at -567.93,8406.41 h120
  text "焊盘喷镀：  有铅喷锡" at -567.93,8267.37 h120
  text "PCB名称: CL-FG-V1.0" at -763.33,6358.77 h120
  text "PCB名称: CL-HC-A-V2.0" at 11258.06,6238.31 h120
  text "尺寸： 9.6CM*9.6CM" at -763.22,6220.86 h120
  text "尺寸： 9.6CM*9.6CM" at 11258.17,6100.41 h120
  text "板材：  FR4" at -763.22,6081.93 h120
  text "PCB名称: CL-AO-VI-V1.0" at 5382.26,5991.89 h120
  text "板材：  FR4" at 11258.17,5961.47 h120
  text "板子层数：  2" at -763.22,5943.8 h120
  text "尺寸： 9.6CM*9.6CM" at 5382.37,5853.98 h120
  text "板子层数：  2" at 11258.17,5823.34 h120
  text "板子厚度：  1.6" at -763.22,5804.63 h120
  text "板材：  FR4" at 5382.37,5715.05 h120
  text "板子厚度：  1.6" at 11258.17,5684.18 h120
  text "阻焊颜色：  蓝色" at -763.33,5666.39 h120
  text "板子层数：  2" at 5382.37,5576.91 h120
  text "阻焊颜色：  蓝色" at 11258.06,5545.93 h120
  text "铜箔厚度：  h/hoz" at -763.33,5527.22 h120
  text "板子厚度：  1.6" at 5382.37,5437.75 h120
  text "铜箔厚度：  h/hoz" at 11258.06,5406.77 h120
  text "阻焊覆盖：  过孔盖油" at -763.33,5388.41 h120
  text "阻焊颜色：  蓝色" at 5382.26,5299.5 h120
  text "阻焊覆盖：  过孔盖油" at 11258.06,5267.95 h120
  text "字符颜色：  白色" at -763.22,5250.27 h120
  text "铜箔厚度：  h/hoz" at 5382.26,5160.34 h120
  text "字符颜色：  白色" at 11258.17,5129.81 h120
  text "焊盘喷镀：  有铅喷锡" at -763.22,5111.22 h120
  text "阻焊覆盖：  过孔盖油" at 5382.26,5021.52 h120
  text "焊盘喷镀：  有铅喷锡" at 11258.17,4990.77 h120
  text "字符颜色：  白色" at 5382.37,4883.39 h120
  text "焊盘喷镀：  有铅喷锡" at 5382.37,4744.34 h120
  text "Set： 2" at 5382.26,4599.36 h120
Mechanical15:
  lines w4: 2037.32,13270.64 2037.32,15042.29 5816.85,15042.29 5816.85,13270.64 2037.32,13270.64
DrillDrawing:
  text ".Legend" at 12135.51,10198.93 h80

## Text inside footprints (layer, text, board x,y; h text height)
C1: TopOverlay "+" at 8358.76,4959.36 h60 r270
C2: TopOverlay "+" at 8358.76,5749.36 h60 r270
C3: TopOverlay "+" at 9889.64,4952.51 h60 r270
C4: TopOverlay "+" at 9848.14,5437.86 h60 r180
C5: TopOverlay "+" at 8658.14,5937.86 h60 r180
C6: TopOverlay "+" at 8462.69,5087.86 h60 r180
C7: TopOverlay "+" at 8478.77,5261.25 h60 r90
C8: TopOverlay "+" at 7175.45,4567.86 h60 r180
C9: TopOverlay "+" at 7175.45,5357.86 h60 r180
C45: TopOverlay "+" at 6822.38,11646.61 h60 r90
C46: TopOverlay "+" at 7598.02,11444.93 h60 r315
C49: TopOverlay "+" at 7858.56,11990.17 h60 r180
C85: TopOverlay "+" at 5231.51,14467.86 h60 r315
C86: TopOverlay "+" at 3399.33,14346.03 h60
C87: TopOverlay "+" at 4214.27,14471.26 h60
C88: TopOverlay "+" at 3391.15,11198.87 h60 r90
LX1: TopOverlay "+" at 3473.11,9655.22 h60 r180
S4: TopOverlay "3" at 8626.46,14224.24 h59.06; TopOverlay "2" at 8545.2,14223.62 h59.06; TopOverlay "1" at 8468.21,14225.46 h59.06
S5: TopOverlay "1" at 8998.21,14225.46 h59.06; TopOverlay "2" at 9075.2,14223.62 h59.06; TopOverlay "3" at 9156.46,14224.24 h59.06
S6: TopOverlay "3" at 9686.46,14224.24 h59.06; TopOverlay "2" at 9605.2,14223.62 h59.06; TopOverlay "1" at 9528.21,14225.46 h59.06
S8: TopOverlay "1" at 8458.21,13835.46 h59.06; TopOverlay "2" at 8535.2,13833.62 h59.06; TopOverlay "3" at 8616.46,13834.23 h59.06
UB1: TopOverlay "~" at 3807.91,9586.86 h60; TopOverlay "-" at 3899.47,9536.49 h60; TopOverlay "+" at 3719.41,9536.97 h60; TopOverlay "~" at 3807.91,9426.86 h60